# Altium PCB CT9042 Main Board with transformers.PcbDoc (part 1 of 2) (continued)
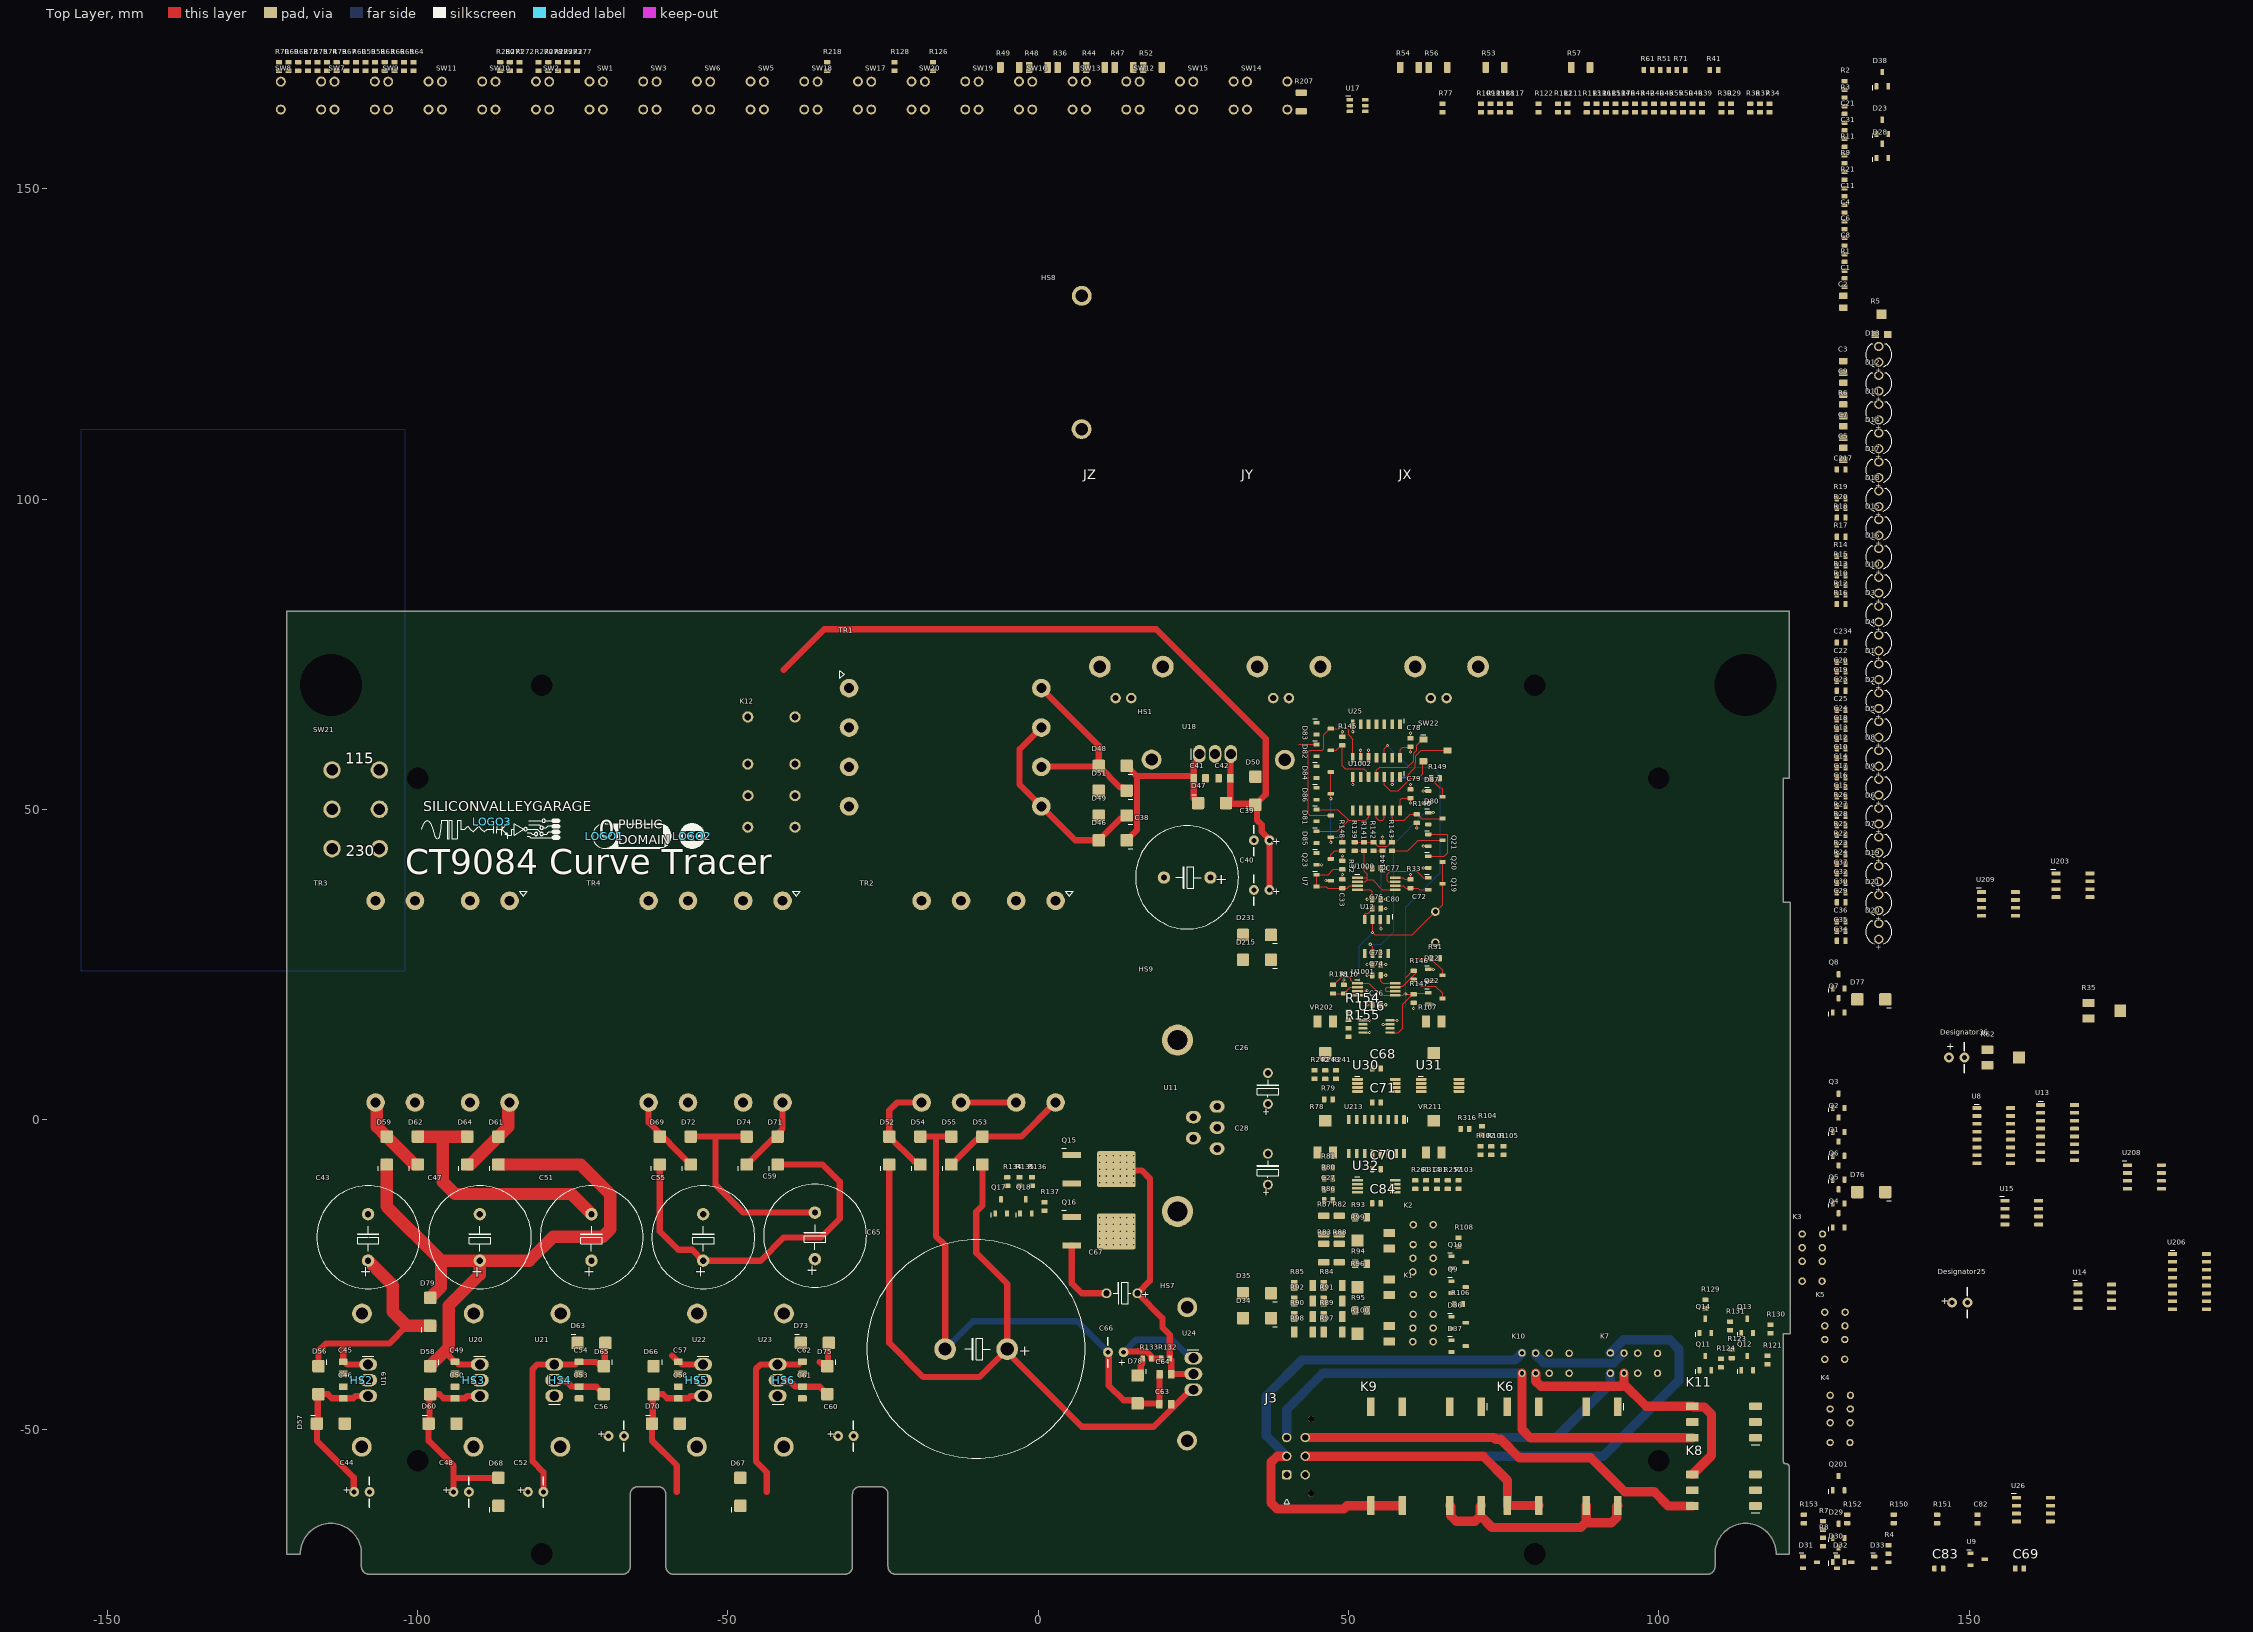
[diagram p0: Top Layer view]
## Components (designator, comment, footprint, x,y, rotation, side; value= is the part's Value field where it differs from the comment) (continued)
R37 "RESC0603" RESC0603 116.289,163.008 r90 top value=2K05
R38 "RESC0603" RESC0603 114.739,163.008 r90 top value=1K27
R39 "RESC0603" RESC0603 106.989,163.008 r90 top value=10K
R40 "RESC0603" RESC0603 99.239,163.008 r90 top value=9K09
R41 "RESC0603" RESC0603 108.889,169.158 r0 top value=511R
R42 "RESC0603" RESC0603 97.689,163.008 r90 top value=10K
R43 "RESC0603" RESC0603 96.139,163.008 r90 top value=2K05
R44 "RESC1206" RESC1206 9.214,169.558 r0 top value=1K
R45 "RESC0603" RESC0603 100.789,163.008 r90 top value=1K27
R46 "RESC0603" RESC0603 105.439,163.008 r90 top value=2K49
R47 "RESC1206" RESC1206 13.814,169.558 r0 top value=18K
R48 "RESC1206" RESC1206 0.014,169.558 r0 top value=1K8
R49 "RESC1206" RESC1206 -4.586,169.558 r0 top value=200R
R50 "RESC0603" RESC0603 103.889,163.008 r90 top value=2K21
R51 "RESC0603" RESC0603 100.939,169.158 r0 top value=10K
R52 "RESC1206" RESC1206 18.414,169.558 r0 top value=18K
R53 "RESC1206" RESC1206 73.614,169.558 r0 top value=1K8
R54 "RESC1206" RESC1206 59.814,169.558 r0 top value=200R
R55 "RESC0603" RESC0603 102.339,163.008 r90 top value=2K21
R56 "RESC1206" RESC1206 64.414,169.558 r0 top value=220R
R57 "RESC1206" RESC1206 87.414,169.558 r0 top value=220R
R58 "RESC0603" RESC0603 -106.861,169.708 r90 top value=10K
R59 "RESC0603" RESC0603 -108.411,169.708 r90 top value=1K
R60 "RESC0603" RESC0603 -109.961,169.708 r90 top value=10K
R61 "RESC0603" RESC0603 98.289,169.158 r0 top value=10K
R62 "TRIMMER-BOURNS-3214X-1-501" TRIMMER-BOURNS-3214X 155.5,10 r0 top value=500R
R63 "RESC0603" RESC0603 -105.311,169.708 r90 top value=2M74
R64 "RESC0603" RESC0603 -100.661,169.708 r90 top value=4M75
R65 "RESC0603" RESC0603 -102.211,169.708 r90 top value=4K42
R66 "RESC0603" RESC0603 -103.761,169.708 r90 top value=1K
R67 "RESC0603" RESC0603 -111.511,169.708 r90 top value=10K
R68 "RESC0603" RESC0603 -119.261,169.708 r90 top value=10K
R69 "RESC0603" RESC0603 -120.811,169.708 r90 top value=2K05
R70 "RESC0603" RESC0603 -122.361,169.708 r90 top value=10K
R71 "RESC0603" RESC0603 103.589,169.158 r0 top value=10K
R72 "RESC0603" RESC0603 -117.711,169.708 r90 top value=2K05
R73 "RESC0603" RESC0603 -113.061,169.708 r90 top value=1K
R74 "RESC0603" RESC0603 -114.611,169.708 r90 top value=2K49
R75 "RESC0603" RESC0603 -116.161,169.708 r90 top value=2K49
R76 "RESC0603" RESC0603 94.589,163.008 r90 top value=10K
R77 "RESC0603" RESC0603 65.139,163.008 r90 top value=2K05
R78 "TRIMMER-BOURNS-3214X-1-103E" TRIMMER-BOURNS-3214X 46.25,-2.75 r90 top value=10K
R79 "RESC0603" RESC0603 46.75,3.25 r180 top value=2M74
R80 "RESC0603" RESC0603 46.75,-9.5 r180 top value=44K2
R81 "RESC0603" RESC0603 46.75,-7.75 r0 top value=2K21
R82 "RESC1206" RESC1206 48.5,-17 r270 top value=1K8
R83 "RESC1206" RESC1206 46,-21.5 r270 top value=180R
R84 "RESC1206" RESC1206 47.5,-26.75 r180 top value=20R
R85 "RESC1206" RESC1206 42.75,-26.75 r180 top value=20R
R86 "RESC0603" RESC0603 46.75,-13 r180 top value=2K21
R87 "RESC1206" RESC1206 46,-17 r270 top value=1K8
R88 "RESC1206" RESC1206 48.5,-21.5 r270 top value=180R
R89 "RESC1206" RESC1206 47.5,-31.75 r180 top value=20R
R90 "RESC1206" RESC1206 42.75,-31.75 r180 top value=20R
R91 "RESC1206" RESC1206 47.5,-29.25 r180 top value=20R
R92 "RESC1206" RESC1206 42.75,-29.25 r180 top value=20R
R93 "RESC0805" RESC0805 52,-15.75 r0 top value=2K49
R94 "RESC0805" RESC0805 52,-23.25 r180 top value=1K54
R95 "RESC0805" RESC0805 52,-30.75 r180 top value=1K54
R96 "TRIMMER-BOURNS-3214X-1-102E" TRIMMER-BOURNS-3214X 54,-27 r180 top value=1K
R97 "RESC1206" RESC1206 47.5,-34.25 r180 top value=20R
R98 "RESC1206" RESC1206 42.75,-34.25 r180 top value=20R
R99 "TRIMMER-BOURNS-3214X-1-102E" TRIMMER-BOURNS-3214X 54,-19.5 r180 top value=1K
R100 "TRIMMER-BOURNS-3214X-1-102E" TRIMMER-BOURNS-3214X 54,-34.5 r180 top value=1K
R101 "RESC0603" RESC0603 73,-5 r90 top value=10K
R102 "RESC0603" RESC0603 71.25,-5 r90 top value=10K
R103 "RESC0603" RESC0603 67.75,-10.5 r90 top value=44K2
R104 "RESC0603" RESC0603 71.5,-1.75 r90 top value=511K
R105 "RESC0603" RESC0603 75,-5 r90 top value=1M54
R106 "RESC0603" RESC0603 67.75,-29.75 r180 top value=2K05
R107 "TRIMMER-BOURNS-3214X-1-103E" TRIMMER-BOURNS-3214X 63.75,13.25 r270 top value=10K
R108 "RESC0603" RESC0603 67.75,-19.75 r90 top value=2K05
R109 "RESC0603" RESC0603 71.339,163.008 r90 top value=1K01
R110 "RESC0603" RESC0603 49.25,21 r90 top value=10K
R111 "RESC0603" RESC0603 85.289,163.008 r90 top value=10K
R112 "RESC0603" RESC0603 83.739,163.008 r90 top value=9K09
R113 "RESC0603" RESC0603 88.389,163.008 r90 top value=40K2
R114 "RESC0603" RESC0603 93.039,163.008 r90 top value=866R
R115 "RESC0603" RESC0603 91.489,163.008 r90 top value=10K
R116 "RESC0603" RESC0603 89.939,163.008 r90 top value=100K
R117 "RESC0603" RESC0603 75.989,163.008 r90 top value=4M75
R118 "RESC0603" RESC0603 74.439,163.008 r90 top value=511R
R119 "RESC0603" RESC0603 72.889,163.008 r90 top value=511R
R121 "RESC0603" RESC0603 117.5,-38.75 r90 top value=1K
R122 "RESC0603" RESC0603 80.639,163.008 r90 top value=511R
R123 "RESC0603" RESC0603 111.75,-37.75 r270 top value=1K
R124 "RESC0603" RESC0603 110,-39.25 r270 top value=10K
R126 "RESC0603" RESC0603 -16.961,169.708 r90 top value=511R
R128 "RESC0603" RESC0603 -23.161,169.708 r90 top value=511R
R129 "RESC0603" RESC0603 107.5,-29.75 r90 top value=1K
R130 "RESC0603" RESC0603 118,-33.75 r90 top value=1K
R131 "RESC0603" RESC0603 111.5,-33.25 r90 top value=10K
R132 "RESC0603" RESC0603 20.5,-38.5 r180 top value=562R
R133 "RESC0603" RESC0603 17.5,-38.5 r0 top value=10K
R134 "RESC0603" RESC0603 -5,-10 r270 top value=51K1
R135 "RESC0603" RESC0603 -3,-10 r270 top value=10K
R136 "RESC0603" RESC0603 -1,-10 r90 top value=1K
R137 "RESC0603" RESC0603 1,-14 r270 top value=51K1
R138 "RESC0603" RESC0603 47.5,21 r90 top value=10K
R139 "RESC0603" RESC0603 51,44 r270 top value=10K
R140 "RESC0603" RESC0603 61,48.5 r270 top value=10K
R141 "RESC0603" RESC0603 52.5,44 r270 top value=10K
R142 "RESC0603" RESC0603 54,44 r270 top value=10K
R143 "RESC0603" RESC0603 57,44 r90 top value=10R
R144 "RESC0603" RESC0603 55.5,44 r90 top value=10K
R145 "RESC0603" RESC0603 49,61 r90 top value=10K
R146 "RESC0603" RESC0603 60.5,23.25 r270 top value=10K
R147 "RESC0603" RESC0603 60.5,19.5 r90 top value=10K
R148 "RESC0603" RESC0603 49,44 r90 top value=10K
R149 "RESC0603" RESC0603 64,55 r0 top value=511R
R150 "RESC0603" RESC0603 137.869,-64.365 r90 top value=10K
R151 "RESC0603" RESC0603 144.869,-64.365 r90 top value=100K
R152 "RESC0603" RESC0603 130.369,-64.365 r90 top value=39K2
R153 "RESC0603" RESC0603 123.369,-64.365 r90 top value=4M75
R154 "RESC0603" RESC0603 50,16.75 r270 top value=10K
R155 "RESC0603" RESC0603 50,14 r90 top value=10K
R207 "RESC1206" RESC1206 42.389,163.983 r90 top value=1K
R218 "RESC0603" RESC0603 -34.011,169.708 r90 top value=511R
R241 "RESC0603" RESC0603 48,7.25 r90 top value=4M75
R242 "RESC0603" RESC0603 44.5,7.25 r90 top value=10K
R243 "RESC0603" RESC0603 46.25,7.25 r90 top value=10K
R257 "RESC0603" RESC0603 66,-10.5 r90 top value=1K
R261 "RESC0603" RESC0603 60.75,-10.5 r90 top value=42K2
R270 "RESC0603" RESC0603 -80.511,169.708 r90 top value=100K
R271 "RESC0603" RESC0603 -85.161,169.708 r90 top value=4M75
R272 "RESC0603" RESC0603 -83.611,169.708 r90 top value=10K
R273 "RESC0603" RESC0603 -75.861,169.708 r90 top value=39K2
R277 "RESC0603" RESC0603 -74.311,169.708 r90 top value=10K
R278 "RESC0603" RESC0603 -78.961,169.708 r90 top value=1K
R279 "RESC0603" RESC0603 -77.411,169.708 r90 top value=10K
R280 "RESC0603" RESC0603 -86.711,169.708 r90 top value=10K
R314 "RESC0603" RESC0603 62.5,-10.5 r270 top value=1K27
R316 "RESC0603" RESC0603 68.75,-1.5 r180 top value=2M74
SW1 "SWITCH-E-SWITCH-TL1105SFP" SWITCH-ESWITCH-TL1105SPF-1RCAP -66.911,165.008 r0 top
SW2 "SWITCH-E-SWITCH-TL1105SFP" SWITCH-ESWITCH-TL1105SPF-1RCAP -75.561,165.008 r0 top
SW3 "SWITCH-E-SWITCH-TL1105SFP" SWITCH-ESWITCH-TL1105SPF-1RCAP -58.261,165.008 r0 top
SW5 "SWITCH-E-SWITCH-TL1105SFP" SWITCH-ESWITCH-TL1105SPF-1RCAP -40.961,165.008 r0 top
SW6 "SWITCH-E-SWITCH-TL1105SFP" SWITCH-ESWITCH-TL1105SPF-1RCAP -49.611,165.008 r0 top
SW7 "SWITCH-E-SWITCH-TL1105SFP" SWITCH-ESWITCH-TL1105SPF-1RCAP -110.161,165.008 r0 top
SW8 "SWITCH-E-SWITCH-TL1105SFP" SWITCH-ESWITCH-TL1105SPF-1RCAP -118.811,165.008 r0 top
SW9 "SWITCH-E-SWITCH-TL1105SFP" SWITCH-ESWITCH-TL1105SPF-1RCAP -101.511,165.008 r0 top
SW10 "SWITCH-E-SWITCH-TL1105SFP" SWITCH-ESWITCH-TL1105SPF-1RCAP -84.211,165.008 r0 top
SW11 "SWITCH-E-SWITCH-TL1105SFP" SWITCH-ESWITCH-TL1105SPF-1RCAP -92.861,165.008 r0 top
SW12 "SWITCH-E-SWITCH-TL1105SFP" SWITCH-ESWITCH-TL1105SPF-1RCAP 19.589,165.008 r0 top
SW13 "SWITCH-E-SWITCH-TL1105SFP" SWITCH-ESWITCH-TL1105SPF-1RCAP 10.939,165.008 r0 top
SW14 "SWITCH-E-SWITCH-TL1105SFP" SWITCH-ESWITCH-TL1105SPF-1RCAP 36.889,165.008 r0 top
SW15 "SWITCH-E-SWITCH-TL1105SFP" SWITCH-ESWITCH-TL1105SPF-1RCAP 28.239,165.008 r0 top
SW16 "SWITCH-E-SWITCH-TL1105SFP" SWITCH-ESWITCH-TL1105SPF-1RCAP 2.289,165.008 r0 top
SW17 "SWITCH-E-SWITCH-TL1105SFP" SWITCH-ESWITCH-TL1105SPF-1RCAP -23.661,165.008 r0 top
SW18 "SWITCH-E-SWITCH-TL1105SFP" SWITCH-ESWITCH-TL1105SPF-1RCAP -32.311,165.008 r0 top
SW19 "SWITCH-E-SWITCH-TL1105SFP" SWITCH-ESWITCH-TL1105SPF-1RCAP -6.361,165.008 r0 top
SW20 "SWITCH-E-SWITCH-TL1105SFP" SWITCH-ESWITCH-TL1105SPF-1RCAP -15.011,165.008 r0 top
SW21 "SWITCH,2 POLE, 2 SELECT" SWITCH-CANDK-S602131MS02Q -110,50 r270 top
SW22 "CJS1200" SWITCH-NIDEC-CJS-1200TB1 64,59.5 r0 top
TR1 "162D12" XFMR-HAMMOND-162D12 -15,60 r0 top
TR2 "162F28" XFMR-HAMMOND-162F28 -8,19 r270 top locked
TR3 "162F12" XFMR-HAMMOND-162F12 -96,19 r270 top locked
TR4 "162F20" XFMR-HAMMOND-162F20 -52,19 r270 top locked
U7 "ATL431B 48ppm 0.5%" SOT23 46,38.5 r0 top
U8 "DG451" SO127P600-16N 153.975,-2.595 r0 top
U9 "ATL431B 48ppm 0.5%" SOT23 151.37,-70.865 r0 top
U11 "LM675" TO220-5-V 26.905,-1.3 r90 top
U12 "TLV7211" SO127P600-8N 54.5,29.5 r270 top
U13 "CD4053" SO127P600-16N 164.275,-2.095 r0 top
U14 "LM393" SO127P600-8N 170.25,-28.5 r0 top
U15 "AD633JR" SO127P600-8N 158.5,-15 r0 top
U16 "MCP4551T-103" SO65P490-8N 54.5,15 r0 top
U17 "IC-TI-74HC14" SOT23-6 51.464,163.408 r0 top
U18 "L7805CP" TO220V-OVERMOLD 28.497,58.913 r0 top
U19 "L7805CP" TO220V-OVERMOLD -108,-42 r270 top locked
U20 "L7805CP" TO220V-OVERMOLD -90,-42 r270 top
U21 "L7905CP" TO220V-OVERMOLD -78,-42 r90 top
U22 "L7815CP" TO220V-OVERMOLD -54,-42 r270 top
U23 "L7915CP" TO220V-OVERMOLD -42,-42 r90 top
U24 "LM317P" TO220V-OVERMOLD 25,-41 r270 top
U25 "CD4013" SO127P600-14N 54.5,61 r270 top
U26 "LM393" SO127P600-8N 160.369,-62.865 r0 top
U30 "TL082H" SO65P640-8N 54.5,5.5 r0 top
U31 "TL082H" SO65P640-8N 64.75,5.5 r0 top
U32 "TL082H" SO65P640-8N 54.5,-10.75 r0 top
U203 "LF412" SO127P600-8N 166.75,37.75 r0 top
U206 "CD4053" SO127P600-16N 185.525,-26.115 r0 top
U208 "LF412" SO127P600-8N 178.25,-9.25 r0 top
U209 "LF412" SO127P600-8N 154.75,34.75 r0 top
U213 "CD4053" SO127P600-16N 54.5,-2.75 r270 top
U1000 "TL082H" SO65P640-8N 54.5,38 r0 top
U1001 "TL082H" SO65P640-8N 54.5,21 r0 top
U1002 "74LVC14" SO127P600-14N 54.5,52.5 r270 top
VR202 "TRIMMER-BOURNS-3214X-1-104" TRIMMER-BOURNS-3214X 46.25,13.25 r270 top value=100K
VR211 "TRIMMER-BOURNS-3214X-1-103E" TRIMMER-BOURNS-3214X 63.75,-2.75 r90 top value=10K

## Footprints (in the part's own frame and the unit in brackets; to place one, negate y for a bottom-side part, rotate by r counter-clockwise, add the part's x,y. Pads: shape width x height; smd on the part's side, far side on the other; paste and mask are expansions set on the pad)
CAPAE-KEMET-ESL476M100AH9AA [mm] "CAPACITOR,ALU-EL,KEMET-ESL476M100AH9AA"
  round 1.6 hole 1 unplated: 1(-2.5,0) 2(2.5,0)
  silkscreen extent -1.38,-1.75 1.38,1.7, body extent -5.25,-5.27 5.25,5.25, height 14.02
CAPAE-KEMET-ESW476M035AE3AA [mm] "CAPACITOR,ALU-EL,KEMET-ESW476M035AE3AA"
  round 1.6 hole 0.8 unplated: 1(-1.25,0) 2(1.25,0)
  silkscreen extent 1.2,-2.45 1.3,2.45, body extent -3.37,-3.4 3.42,3.41, height 12.52
CAPAE-NICHICON-LGY2A222MELC30 [mm] "CAPACITOR,ALU-EL,SNAP-IN,NICHICON,LGY2A222MELC30"
  round 3.5 hole 2.1 unplated: 1(-5,0) 2(5,0)
  silkscreen extent -17.58,-17.63 17.63,17.58, body extent -17.5,-17.52 17.5,17.5, height 35.01
CAPAE-PANASONIC-ECA-2AM4R7I [mm] "CAPACITOR,ALU-EL,PANASONIC-ECA-2AM4R7I"
  round 1.6 hole 0.8 unplated: 1(-1.25,0) 2(1.25,0)
  silkscreen extent 1.2,-2.45 1.3,2.45, body extent -2.49,-2.5 2.5,2.5, height 11.01
CAPAE-RUBYCON-35ZLH2200MEFC16X25 [mm] "CAPACITOR,ALU-EL,RUBYCON-35ZLH2200MEFC16X25"
  round 2 hole 1 unplated: 1(-3.75,0) 2(3.75,0)
  silkscreen extent -8.28,-8.33 8.33,8.28, body extent -8.25,-8.3 8.24,8.2, height 27
CAPC0603 [mm] "CAPACITOR, CHIP 0603 (1608) 0.5MM THICK"
  rrect25% 0.72x0.99 smd paste+0 mask+0.075: 1(-0.69,0) 2(0.69,0)
  body extent -0.81,-0.41 0.81,0.41, height 0.51
CAPC0805 [mm] "CAPACITOR, CHIP 0805 (2012) 0.85MM THICK"
  rrect25% 1.05x1.4 smd paste+0 mask+0.075: 1(-0.95,0) 2(0.95,0)
  body extent -1.01,-0.63 1.01,0.64, height 0.86
CAPF50P720X720 [mm]
  round 1.4 hole 0.8 unplated: 1(-2.5,0) 2(2.5,0)
  body extent -3.6,-3 3.6,3, height 11.01
CONN-BNC-RA-TE-CONBNC002 [mm]
  round 1.7 hole 1 paste-2539.97 mask-1: 1(-5.08,0) 2(-5.08,2.54)
  round 3.5 hole 2 paste-2539.97 mask-1: 3(0,5.08) 4(0,-5.08)
  body extent -5.82,-7.95 29.38,7.95, height 14.35
CONN-MOLEX-430450613 [mm]
  rrect50% 1.52x1.52 hole 1.02 mask+0.076: 1(3,-1.97)
  round 1.52 hole 1.02 mask+0.076: 2(0,-1.97) 3(-3,-1.97) 4(3,1.03) 5(0,1.03) 6(-3,1.03)
  round 1.02 hole 1.02 unplated mask+0.076: ""(-6,1.97) ""(6,1.97)
  silkscreen extent 6.93,-2.37 7.63,-1.57, body extent -6.57,-4.44 6.58,4.33, height 9.92
DO214AC [mm] "DO214AC, SMA"
  rrect20% 2x2 smd mask+0.07: 1(-2.25,0) 2(2.25,0)
  silkscreen extent -3.25,1.38 -2.5,1.38, body extent -2.6,-1.45 2.6,1.45, height 2.31
DPAK [mm]
  rrect25% 3x1 smd mask+0.075: 1(-3.59,2.285) 3(-3.59,-2.285)
  rrect10% 6.2x5.8 smd paste-7 mask+0.075: 4(3.59,-0.005)
  silkscreen extent -5.2,3.37 -4.45,3.38, body extent -4.01,-3.28 5.93,3.26, height 2.34
HEATSINK-CUI-HSS01-B20-CP [mm] "HEATSINK-CUI-HSS01-B20-CP"
  round 5 hole 3.2 unplated: ME1(-13.8,-4.45) ME2(13.8,-4.45)
  body extent -24.13,-24.13 24.13,0, height 49.32
HEATSINK-CUI-HSS06-C20-P32 [mm] "HEATSINK-CUI-HSS06-C20-P32"
  round 3.2 hole 2 unplated: ME1(-10.741,0.017) ME2(10.741,-0.017)
  body extent -10.96,-4.23 11.04,6.39, height 29.23
LED-3MM-GREEN [mm]
  round 1.5 hole 1: 1(1.27,0) 2(-1.27,0)
  silkscreen extent -2,-2.1 1.69,2.1, body extent -1.99,-1.96 1.63,1.96, height 5.35
LOGO-LICENSE-CC [mm]
  silkscreen extent -2.08,-2.05 2.03,2.05
LOGO-LICENSE-CC0-PUBLIC [mm]
  silkscreen extent -1.97,-1.98 10.7,1.98
RELAY-CIT-J104B2C5VDC.20S [mm]
  round 1.8 hole 1.1 unplated: 1(-8.89,-3.81) 2(-1.27,-3.81) 3(3.81,-3.785) 4(8.89,-3.81) 5(8.89,3.81) 6(3.81,3.81) 7(-1.27,3.81) 8(-8.89,3.81)
  body extent -10.09,-4.97 10.09,4.98, height 10.96
RELAY-KEMET-UA2-5NJ [mm]
  round 1.2 hole 0.7 unplated: 1(-3.8,-1.562) 2(-0.6,-1.588) 3(1.6,-1.612) 4(3.8,-1.637) 5(3.8,1.638) 6(1.6,1.638) 7(-0.6,1.638) 8(-3.8,1.638)
  body extent -5.6,-3 5.3,3, height 8.31
RESC0603 [mm] "RESISTOR, CHIP 0603 (1608)"
  rrect25% 0.72x0.99 smd paste+0 mask+0.075: 1(-0.69,0) 2(0.69,0)
  body extent -0.8,-0.4 0.8,0.4, height 0.37
RESC0805 [mm] "RESISTOR, CHIP 0805 (2012)"
  rrect25% 1.05x1.4 smd paste+0 mask+0.075: 1(-0.95,0) 2(0.95,0)
  body extent -1,-0.63 1,0.63, height 0.47
RESC1206 [mm] "RESISTOR, CHIP 1206 (3216)"
  rrect25% 1.05x1.8 smd paste+0 mask+0.075: 1(-1.5,0) 2(1.5,0)
  body extent -1.55,-0.78 1.55,0.78, height 0.47
SILICONVALLEYGARAGE [mm]
  silkscreen extent -11.38,-2.89 10.94,0.48
SO65P490-8N [mm] "MSOP8, 0.65MM PITCH, 4.90MM SPAN, 1.15MM HEIGHT"
  rrect25% 1.45x0.395 smd mask+0.075: 1(-2.2,0.975) 2(-2.2,0.325) 3(-2.2,-0.325) 4(-2.2,-0.975) 5(2.2,-0.975) 6(2.2,-0.325) 7(2.2,0.325) 8(2.2,0.975)
  silkscreen extent -3.03,1.63 -2.27,1.63, body extent -2.45,-1.5 2.45,1.5, height 1.15
SO65P640-8N [mm] "TSOP, 8-LEADS, BODY 3.00X4.40MM, PITCH 0.65MM, IPC MEDIUM DENSITY"
  rrect25% 1.7x0.45 smd mask+0.075: 1(-3.05,0.975) 2(-3.05,0.325) 3(-3.05,-0.325) 4(-3.05,-0.975) 5(3.05,-0.975) 6(3.05,-0.325) 7(3.05,0.325) 8(3.05,0.975)
  silkscreen extent -3.47,1.5 -2.72,1.5, body extent -3.2,-1.5 3.2,1.5, height 1.1
SO127P600-8N [mm] "SO8"
  rrect25% 1.45x0.6 smd mask+0.075: 1(-2.725,1.905) 2(-2.725,0.635) 3(-2.725,-0.635) 4(-2.725,-1.905) 5(2.725,-1.905) 6(2.725,-0.635) 7(2.725,0.635) 8(2.725,1.905)
  silkscreen extent -3.55,2.63 -2.8,2.63, body extent -3.1,-2.5 3.1,2.5, height 1.75
SO127P600-14N [mm] "SOIC127P600X175 14N"
  rrect25% 1.6x0.6 smd mask+0.075: 1(-2.7,3.81) 2(-2.7,2.54) 3(-2.7,1.27) 4(-2.7,0) 5(-2.7,-1.27) 6(-2.7,-2.54) 7(-2.7,-3.81) 8(2.7,-3.81) 9(2.7,-2.54) 10(2.7,-1.27) 11(2.7,0) 12(2.7,1.27) 13(2.7,2.54) 14(2.7,3.81)
  silkscreen extent -3.6,4.47 -2.85,4.47, body extent -3,-4.37 3,4.38, height 1.75
SO127P600-16N [mm] "SO16"
  rrect25% 1.45x0.6 smd mask+0.075: 1(-2.725,4.445) 2(-2.725,3.175) 3(-2.725,1.905) 4(-2.725,0.635) 5(-2.725,-0.635) 6(-2.725,-1.905) 7(-2.725,-3.175) 8(-2.725,-4.445) 9(2.725,-4.445) 10(2.725,-3.175) 11(2.725,-1.905) 12(2.725,-0.635) 13(2.725,0.635) 14(2.725,1.905) 15(2.725,3.175) 16(2.725,4.445)
  silkscreen extent -3.1,5.05 -2.35,5.05, body extent -3.1,-5.05 2.9,5.05, height 1.35
SO254P960-6N [mil] "Surface Mount DIP Optocoupler  0.4 in wide"
  rrect25% 50x80 smd: 1(-100,-200) 2(0,-200) 3(100,-200) 4(100,200) 5(0,200) 6(-100,200)
  silkscreen extent -143,-228 -143,-172, body extent -169,-203 169,203, height 172
SO508P1676-8N [mm]
  rrect8% 3x1.2 smd paste+0 mask+0.05: 1(-7.95,8.89) 2(-7.95,3.81) 3(-7.95,-3.81) 4(-7.95,-8.89) 5(7.95,-8.89) 6(7.95,-3.81) 7(7.95,3.81) 8(7.95,8.89)
  silkscreen extent -8.5,9.87 -7.37,9.87, body extent -8.38,-10.54 8.38,10.54, height 3.49
SOT23 [mm] "SOT23 PACKAGE, 3 PIN"
  rrect25% 1x0.6 smd paste+0 mask+0.075: 1(-1.15,0.95) 2(-1.15,-0.95) 3(1.15,0)
  silkscreen extent -1.75,1.55 -1,1.55, body extent -1.4,-1.45 1.4,1.45, height 1.3
SOT23-6 [mm] "SOT23 PACKAGE, 6 PIN (SOT26)"
  rrect25% 1.05x0.55 smd paste+0 mask+0.05: 1(-1.25,0.95) 2(-1.25,0) 3(-1.25,-0.95) 4(1.25,-0.95) 5(1.25,0) 6(1.25,0.95)
  silkscreen extent -1.88,1.58 -1.12,1.58, body extent -1.4,-1.45 1.4,1.45, height 1.45
SWITCH-CANDK-S602131MS02Q [mm]
  round 2.8 hole 1.85 unplated: 1(-6.35,-3.81) 2(0,-3.81) 3(6.35,-3.81) 4(6.35,3.81) 5(0,3.81) 6(-6.35,3.81)
  body extent -11.49,-6.73 11.49,6.73, height 11.11
SWITCH-ESWITCH-TL1105SPF-1RCAP [mm] "SWTICH,TACT,MOM,WITH 1R CAP,E-SWITCH TL1105SP"
  round 1.6 hole 1: 1(-3.25,-2.25) 2(3.25,-2.25) 3(-3.25,2.25) 4(3.25,2.275)
  body extent -3.94,-3 3.94,3, height 13.5
SWITCH-NIDEC-CJS-1200TB1 [mm] "SWITCH-NIDEC-CJS-1200TB1"
  rrect20% 1.3x1 smd mask+0.05: 1(-1.95,1.739) 2(-1.95,-1.761) 3(1.95,-0.011)
  silkscreen extent -2.37,2.47 -1.55,2.47, body extent -2.1,-3.01 2.1,2.99, height 2.53
TO220-5-V [mm] "TO220,PENTAWATT,VERTICAL"
  oval 2x2.4 hole 1.2: 1(-3.4,-1.905) 2(-1.7,1.905) 3(0,-1.905) 4(1.7,1.905) 5(3.4,-1.905)
  body extent -5.12,-2.13 5.11,6.58, height 21.54
TO220V-OVERMOLD [mm]
  oval 2x2.9 hole 1.6 unplated mask+0.05: 1(-2.54,0) 2(0,0) 3(2.54,0)
  silkscreen extent -3.88,-0.95 -3.88,0.87, body extent -5.19,-1.68 5.11,3.02, height 24.06
TRIMMER-BOURNS-3214X [mm] "RESSITOR,TRIMMER,BOURNS,3214X FAMILY"
  rrect7% 1.9x1.3 smd: 1(-2.55,1.25) 3(-2.55,-1.25)
  rrect5% 1.9x2 smd: 2(2.55,0)
  body extent -2.83,-2.32 2.88,2.48, height 5.31
TRIMMER-BOURNS-TC33 [mm]
  rrect8% 1.2x1.2 smd: 1(-1.8,1) 3(-1.8,-1)
  rrect6% 1.5x1.6 smd: 2(1.45,0)
  body extent -1.9,-1.5 1.9,1.5, height 1.1
XFMR-HAMMOND-162D12 [mm] "XFMR,HAMMOND,162D12"
  round 3 hole 1.6 unplated: 1(-15.494,9.525) 2(-15.494,3.175) 3(-15.494,-3.175) 4(-15.494,-9.525) 5(15.494,-9.525) 6(15.494,-3.175) 7(15.494,3.175) 8(15.494,9.525)
  silkscreen extent -16.99,11.1 -16.24,12.35, body extent -16,-17.46 16,17.46, height 23.62
XFMR-HAMMOND-162F12 [mm] "XFMR,HAMMOND,162F12"
  round 3 hole 1.6 unplated: 1(-16.256,10.795) 2(-16.256,4.445) 3(-16.256,-4.445) 4(-16.256,-10.795) 5(16.256,-10.795) 6(16.256,-4.445) 7(16.256,4.445) 8(16.256,10.795)
  silkscreen extent -17.75,12.37 -17,13.62, body extent -16.76,-20.64 16.8,20.64, height 33.02
XFMR-HAMMOND-162F20 [mm] "XFMR,HAMMOND,162F20"
  round 3 hole 1.6 unplated: 1(-16.256,10.795) 2(-16.256,4.445) 3(-16.256,-4.445) 4(-16.256,-10.795) 5(16.256,-10.795) 6(16.256,-4.445) 7(16.256,4.445) 8(16.256,10.795)
  silkscreen extent -17.75,12.37 -17,13.62, body extent -16.76,-20.64 16.8,20.64, height 33.02
XFMR-HAMMOND-162F28 [mm] "XFMR,HAMMOND,162F28"
  round 3 hole 1.6 unplated: 1(-16.256,10.795) 2(-16.256,4.445) 3(-16.256,-4.445) 4(-16.256,-10.795) 5(16.256,-10.795) 6(16.256,-4.445) 7(16.256,4.445) 8(16.256,10.795)
  silkscreen extent -17.75,12.37 -17,13.62, body extent -16.76,-20.64 16.8,20.64, height 33.02

## Part data
C1 C4 C6 C8 C10 C11 C12 C13 C14 C15 C16 C17 C18 C19 C20 C22 C24 C25 C29 C30 C31 C32 C36 C37 C68 C69 C70 C71 C73 C74 C75 C76 C77 C78 C79 C80 C83 C84: library part CAPC-0603-100nF-50V-X7R, "CAPACITOR,CERAMIC,100nF,50V,X7R,0603", Capacitance=100nF, Dielectric=X7R, LCSC=C127833, Manufacturer 1=KEMET, Manufacturer Part Number 1=C0603C104K5RACTU, Package / Case=0603, Supplier Part Number 1=80-C0603C104K5R7867, Voltage=50V, MOUSER=80-C0603C104K5R, Supplier 1=Mouser, Supplier 2=Mouser, Supplier 3=Avnet, Supplier 4=Digikey, Supplier Part Number 2=80-C0603C104K5R7411, Supplier Part Number 3=KGM15BR71H104KT, Supplier Part Number 4=1276-1000-1-ND
C2 C3 C5 C7 C9: library part CAPC-0805-10uF-25V, "CAPACITOR,CERAMIC,10uF,25V,X5R,0805", Capacitance=10uF, Dielectric=X7R, LCSC=C3039694, Manufacturer 1=SAMSUNG, Manufacturer Part Number 1=CL21B106KAYQNNE, Package / Case="0805 (2012 metric)", Voltage=25V, MOUSER=187-CL21B106KAYQNNE
C21 C33: library part CAPC-0603-10nF-50V-X7R, "CAPACITOR,CERAMIC,10nF,50V,X7R,0603", Capacitance=10nF, Dielectric=X7R, Package / Case=0603, Voltage=50V
C23 C34 C82 C217: library part CAPC-0603-100pF-50V-C0G, "CAPACITOR,CERAMIC,100pF,50V,C0G,0603", Capacitance=100pF, Dielectric=C0G, Package / Case=0603, Voltage=50V
C26 C28 C67: library part CAPP-AE-47uF-100V-TH050P100D140H, "CAPACITOR,ALU,47uF,100V,TH,P5mm,D10mm,H14mm", Capacitance=47uF, Dielectric=AE, Manufacturer 1=KEMET, Manufacturer Part Number 1=ESL476M100AH9AA, Voltage=100V, DIGIKEY=399-15746-ND
C27 C234: library part CAPC-0603-10PF-50V-C0G, "CAPACITOR,CERAMIC,10pF,50V,C0G,0603", Capacitance=10pF, Dielectric=C0G, Manufacturer 1=KYOCERA, Manufacturer Part Number 1=C0603C100J5GAC, Package / Case=0603, Voltage=50V, MOUSER=80-C0603C100J5GAC
C35: library part CAPC-0603-1nF-20V-C0G, "CAPACITOR,CERAMIC,1nF,50V,C0G,0603", Capacitance=1nF, Dielectric=C0G, Package / Case=0603, Voltage=50V
C38 C43 C47 C51 C55 C59: library part CAPP-AE-2200uF-35V-TH075P160D270H, "CAPACITOR,ALU,2200uF,35V,TH,P7.5mm,D16mm,H27mm", Capacitance=2200uF, Dielectric=AE, Manufacturer 1=RUBYCON, Manufacturer Part Number 1=35ZLH2200MEFC16X25, Voltage=35V, DIGIKEY=1189-2266-ND
C39 C40 C44 C48 C52 C56 C60: library part CAPP-AE-47uF-35V-TH025P063D125H, "CAPACITOR,ALU,47uF,35V,TH,P0.25mm,D6.3mm,H12.5mm", Capacitance=47uF, Dielectric=AE, Manufacturer 1=KEMET, Manufacturer Part Number 1=ESW476M035AE3AA, Voltage=35V
C41 C42 C45 C46 C49 C50 C53 C54 C57 C58 C61 C62 C63 C64: library part CAPC-0805-100nF-100V, "CAPACITOR,CERAMIC,100nF,100V,X7R,0805", Capacitance=100nF, Dielectric=X7R, Package / Case="0805 (2012 metric)", Voltage=100V
C65: library part CAPP-AE-2200uF-100V-TH100P350D320H, "CAPACITOR,ALU,2200uF,100V,TH,P10mm,D35mm,H32mm,SNAP", Capacitance=2200uF, Dielectric=AE, Manufacturer 1=NICHICON, Manufacturer Part Number 1=LGY2A222MELC30, Voltage=100V
C66: library part CAPP-AE-4u7-100V-TH025P050D120H, "CAPACITOR,ALU,4u7,100V,TH,P0.25mm,D50mm,H12mm", Capacitance=4u7, Dielectric=AE, Manufacturer 1=PANASONIC, Manufacturer Part Number 1=ECA-2AM4R7I, Voltage=100V
C72: library part CAPF-100nF-100V, "CAPACITOR,POLYPROP,100nF,100V", Capacitance=100nF, Dielectric=PP, Manufacturer 1=KEMET, Manufacturer Part Number 1=PHE426DJ6100JR05, Package / Case=CAPF50P720X720, Voltage=100V, DIGIKEY=399-11462-ND
C81: library part CAPC-0603-1n5-50V-X7R, "CAPACITOR,CERAMIC,1n5,50V,X7R,0603", Capacitance=1n5, Dielectric=X7R, Package / Case=0603, Voltage=50V
D1 D2 D3 D4 D5 D6 D7 D8 D9 D10 D11 D12 D13 D14 D15 D16 D17 D18 D19 D20 D21: "LED,TH,GREEN,42mCd,3MM", Manufacturer 1=WURTH, Manufacturer Part Number 1=151031VS06000, Supplier Part Number 1=78-VLMPG33N1P2, MOUSER=78-VLMPG33N1P2, Supplier 1=Mouser
D22 D23 D28 D29 D30 D38 D87: library part DIODE-CENTRALSEMI-CMPD6001S, "DIODE,75V,250mA,SOT23,500pA ULTRA LOW LEAKAGE", Manufacturer 1="CENTRAL SEMICONDUCTOR", Manufacturer Part Number 1=CMPD6001S
  D22 D87: DIGIKEY=1514-CMPD6001STRPBFREECT-ND
D31 D32 D33 D36 D37 D80 D81 D82 D83 D84 D85 D86: library part DIODE-RECTIFIER-DIODES-BAS16-SOT23, "DIODE,RECTIFIER,75V,0.3A,BAS16,SOT23", Manufacturer 1=ONSEMI, Manufacturer Part Number 1=BAS16LT1G
  D80 D81 D82 D83 D84 D85 D86: DIGIKEY=BAS16LT1GOSCT-ND
D34 D35 D47 D50 D56 D57 D58 D60 D63 D65 D66 D67 D68 D70 D73 D75 D77 D215 D231: library part DIODE-ONSEMI-NRVA4007T3G, "DIODE,RECTIFIER,1000V,1A,ONSEMI,NRVA4007,SMA", Manufacturer 1=ONSEMI, Manufacturer Part Number 1=NRVA4007T3G, DIGIKEY=NRVA4007T3GOSCT-ND
D46 D48 D49 D51 D52 D53 D54 D55 D59 D61 D62 D64 D69 D71 D72 D74 D79: library part DIODE-RECTIFIER-DIOTEC-S2J, "DIODE,RECTIFIER,600V,2A,S2J,DO214AA(SMB)", Manufacturer 1=DIOTEC, DIGIKEY=4878-S2JCT-ND, Manufacturer Part Number 1=S2J, MOUSER=637-SK115
D76: library part ZENER-DIOTEC-Z1SMA33, "DIODE,ZENER,33V,1W,Z1SMA33,DO214AC(SMA)", Manufacturer 1=DIOTEC, Manufacturer Part Number 1=Z1SMA24
D78: library part ZENER-DIOTEC-Z1SMA24, "DIODE,ZENER,24V,1W,Z1SMA24,DO214AC(SMA)", Manufacturer 1=DIOTEC, Manufacturer Part Number 1=Z1SMA24
HS1 HS2 HS3 HS4 HS5 HS6 HS7: "HEATSINKSTAMPED,CLIP-ON,BOARDMOUNT,3W,25C/W,CUI,HSS06-C20-P32"
HS8: "HEATSINK,CLIP FOR HSS01-B20-CP", Manufacturer 1=CUI, Manufacturer Part Number 1=HSS01-B20-CP, DIGIKEY=HSS01-B20-CP
HS9: "HEATSINKSTAMPED,CLIP-ON,BOARDMOUNT,3W,25C/W,CUI,HSS01-B20-CP", Manufacturer 1=CUI, Manufacturer Part Number 1=HSS01-B20-CP, DIGIKEY=HSS01-B20-CP